# Altium PCB CM_PCB.PcbDoc (part 1 of 7) (continued)
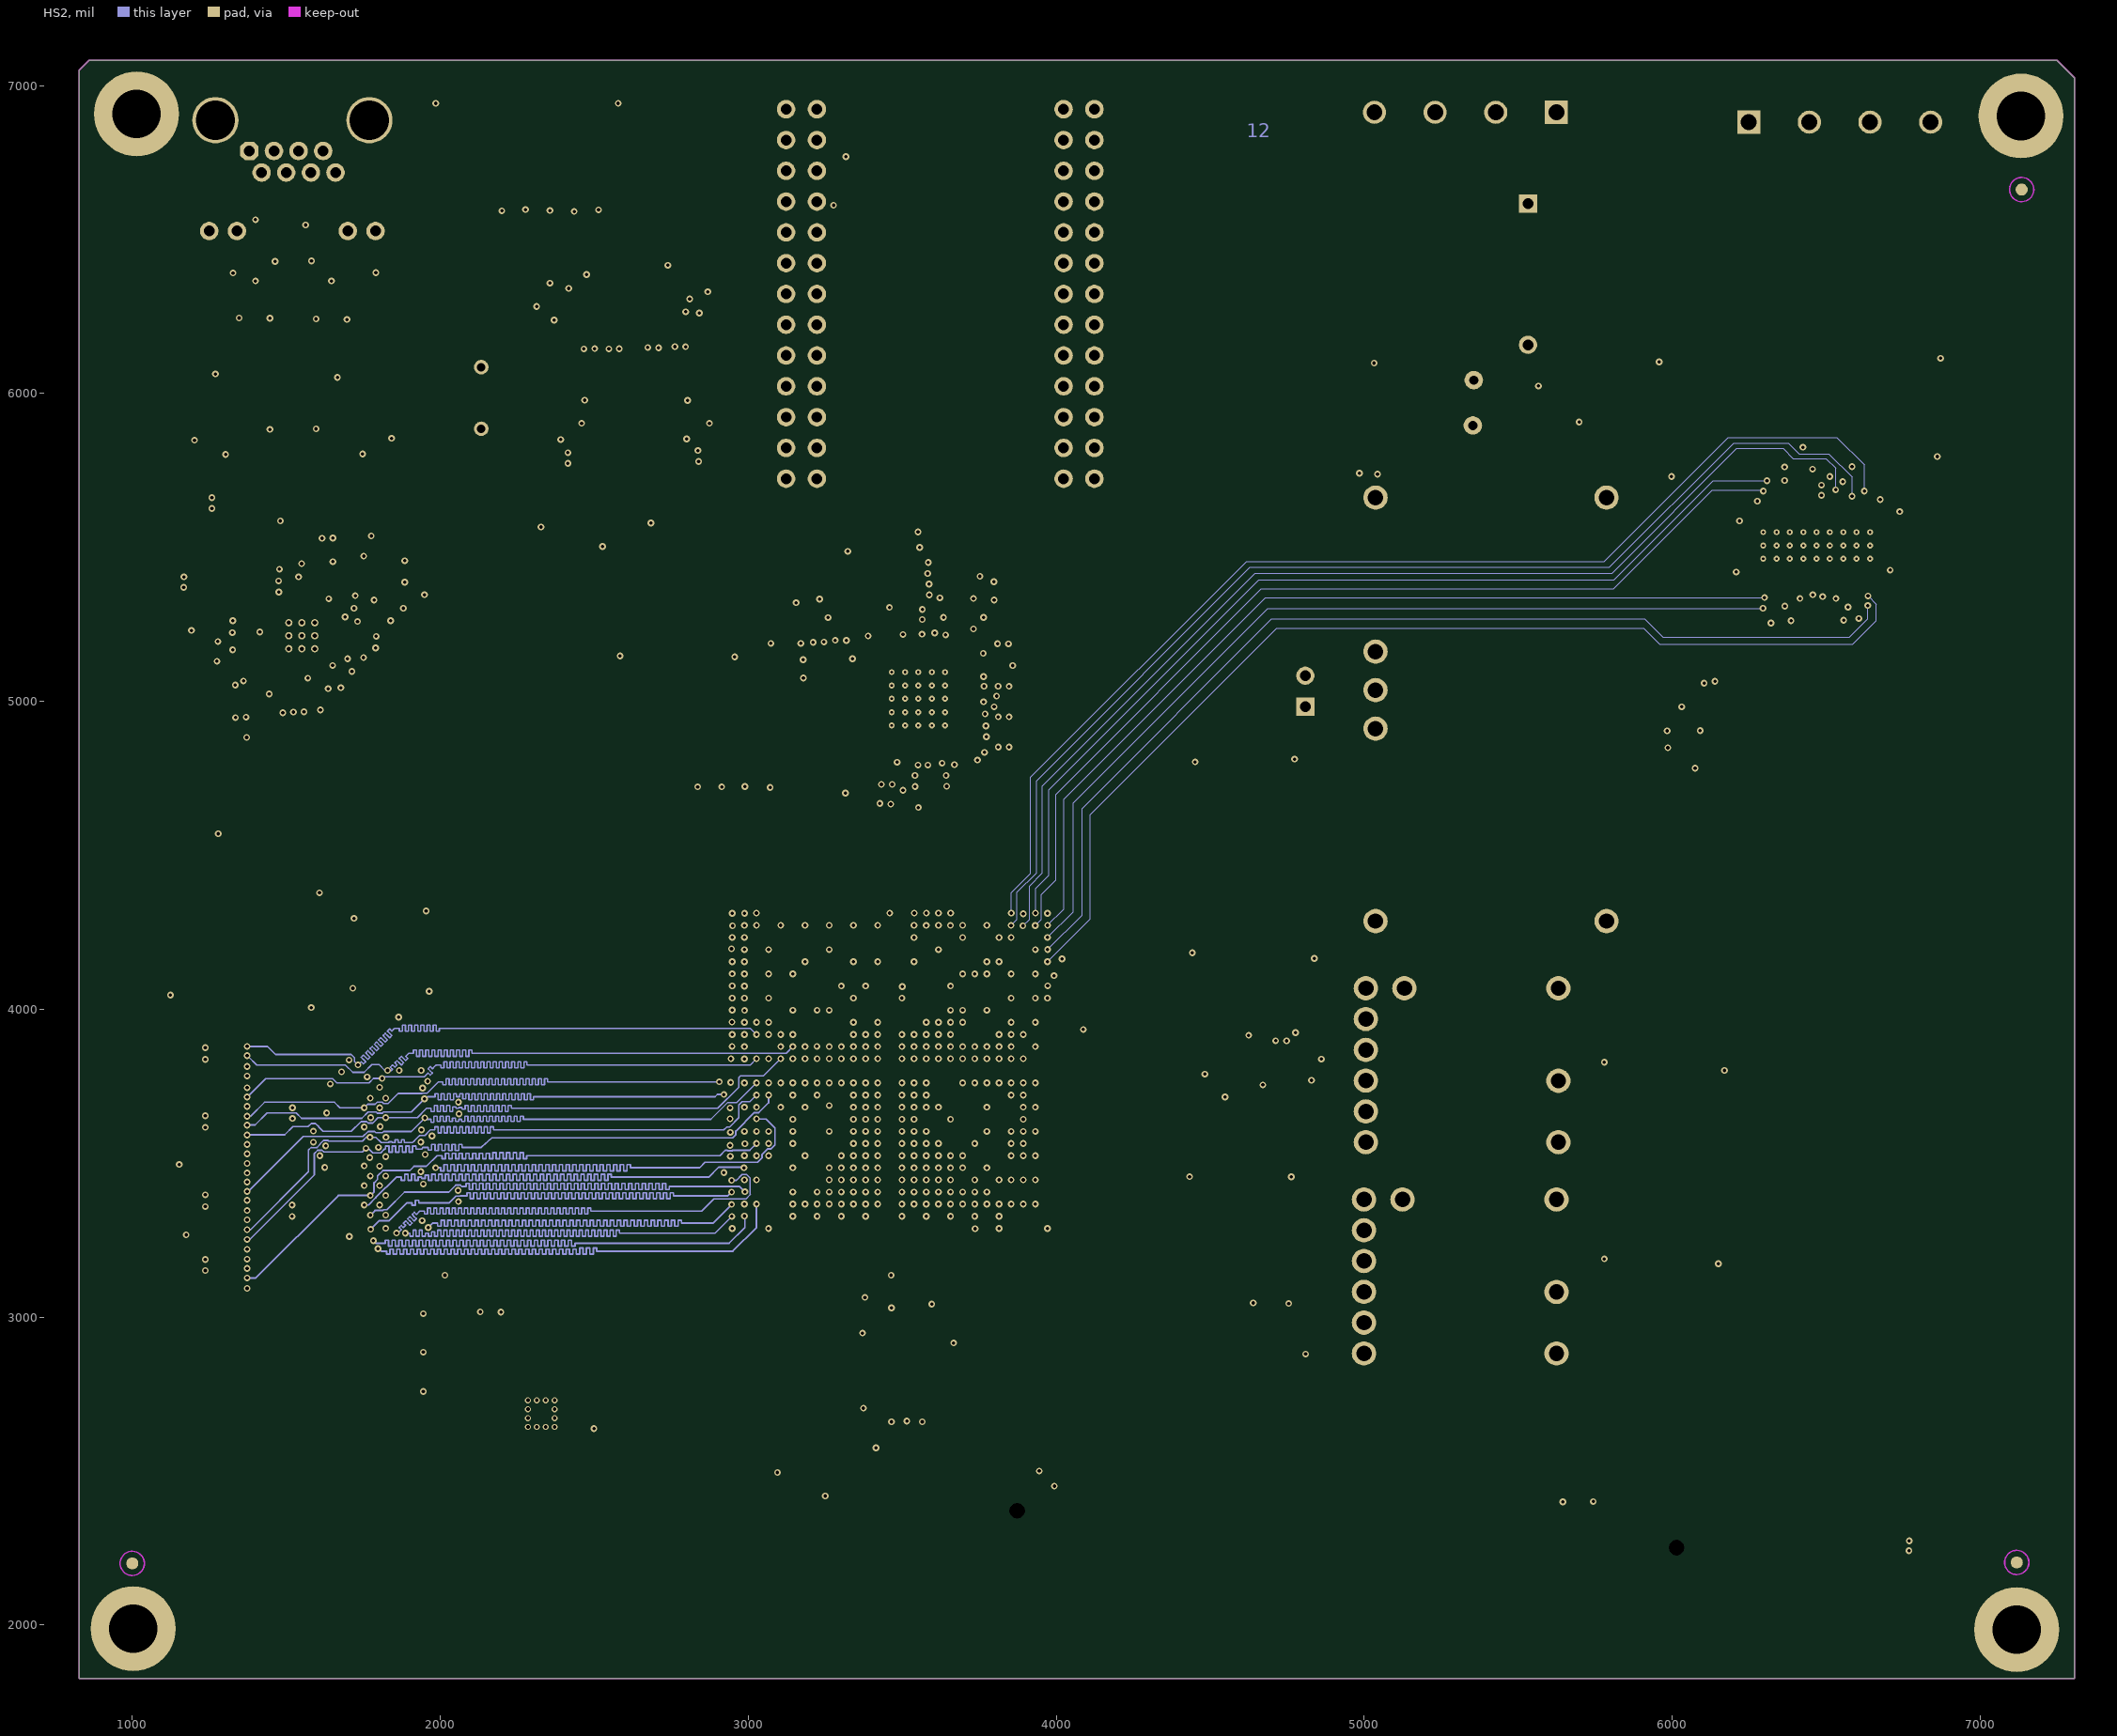
[diagram p12: HS2]
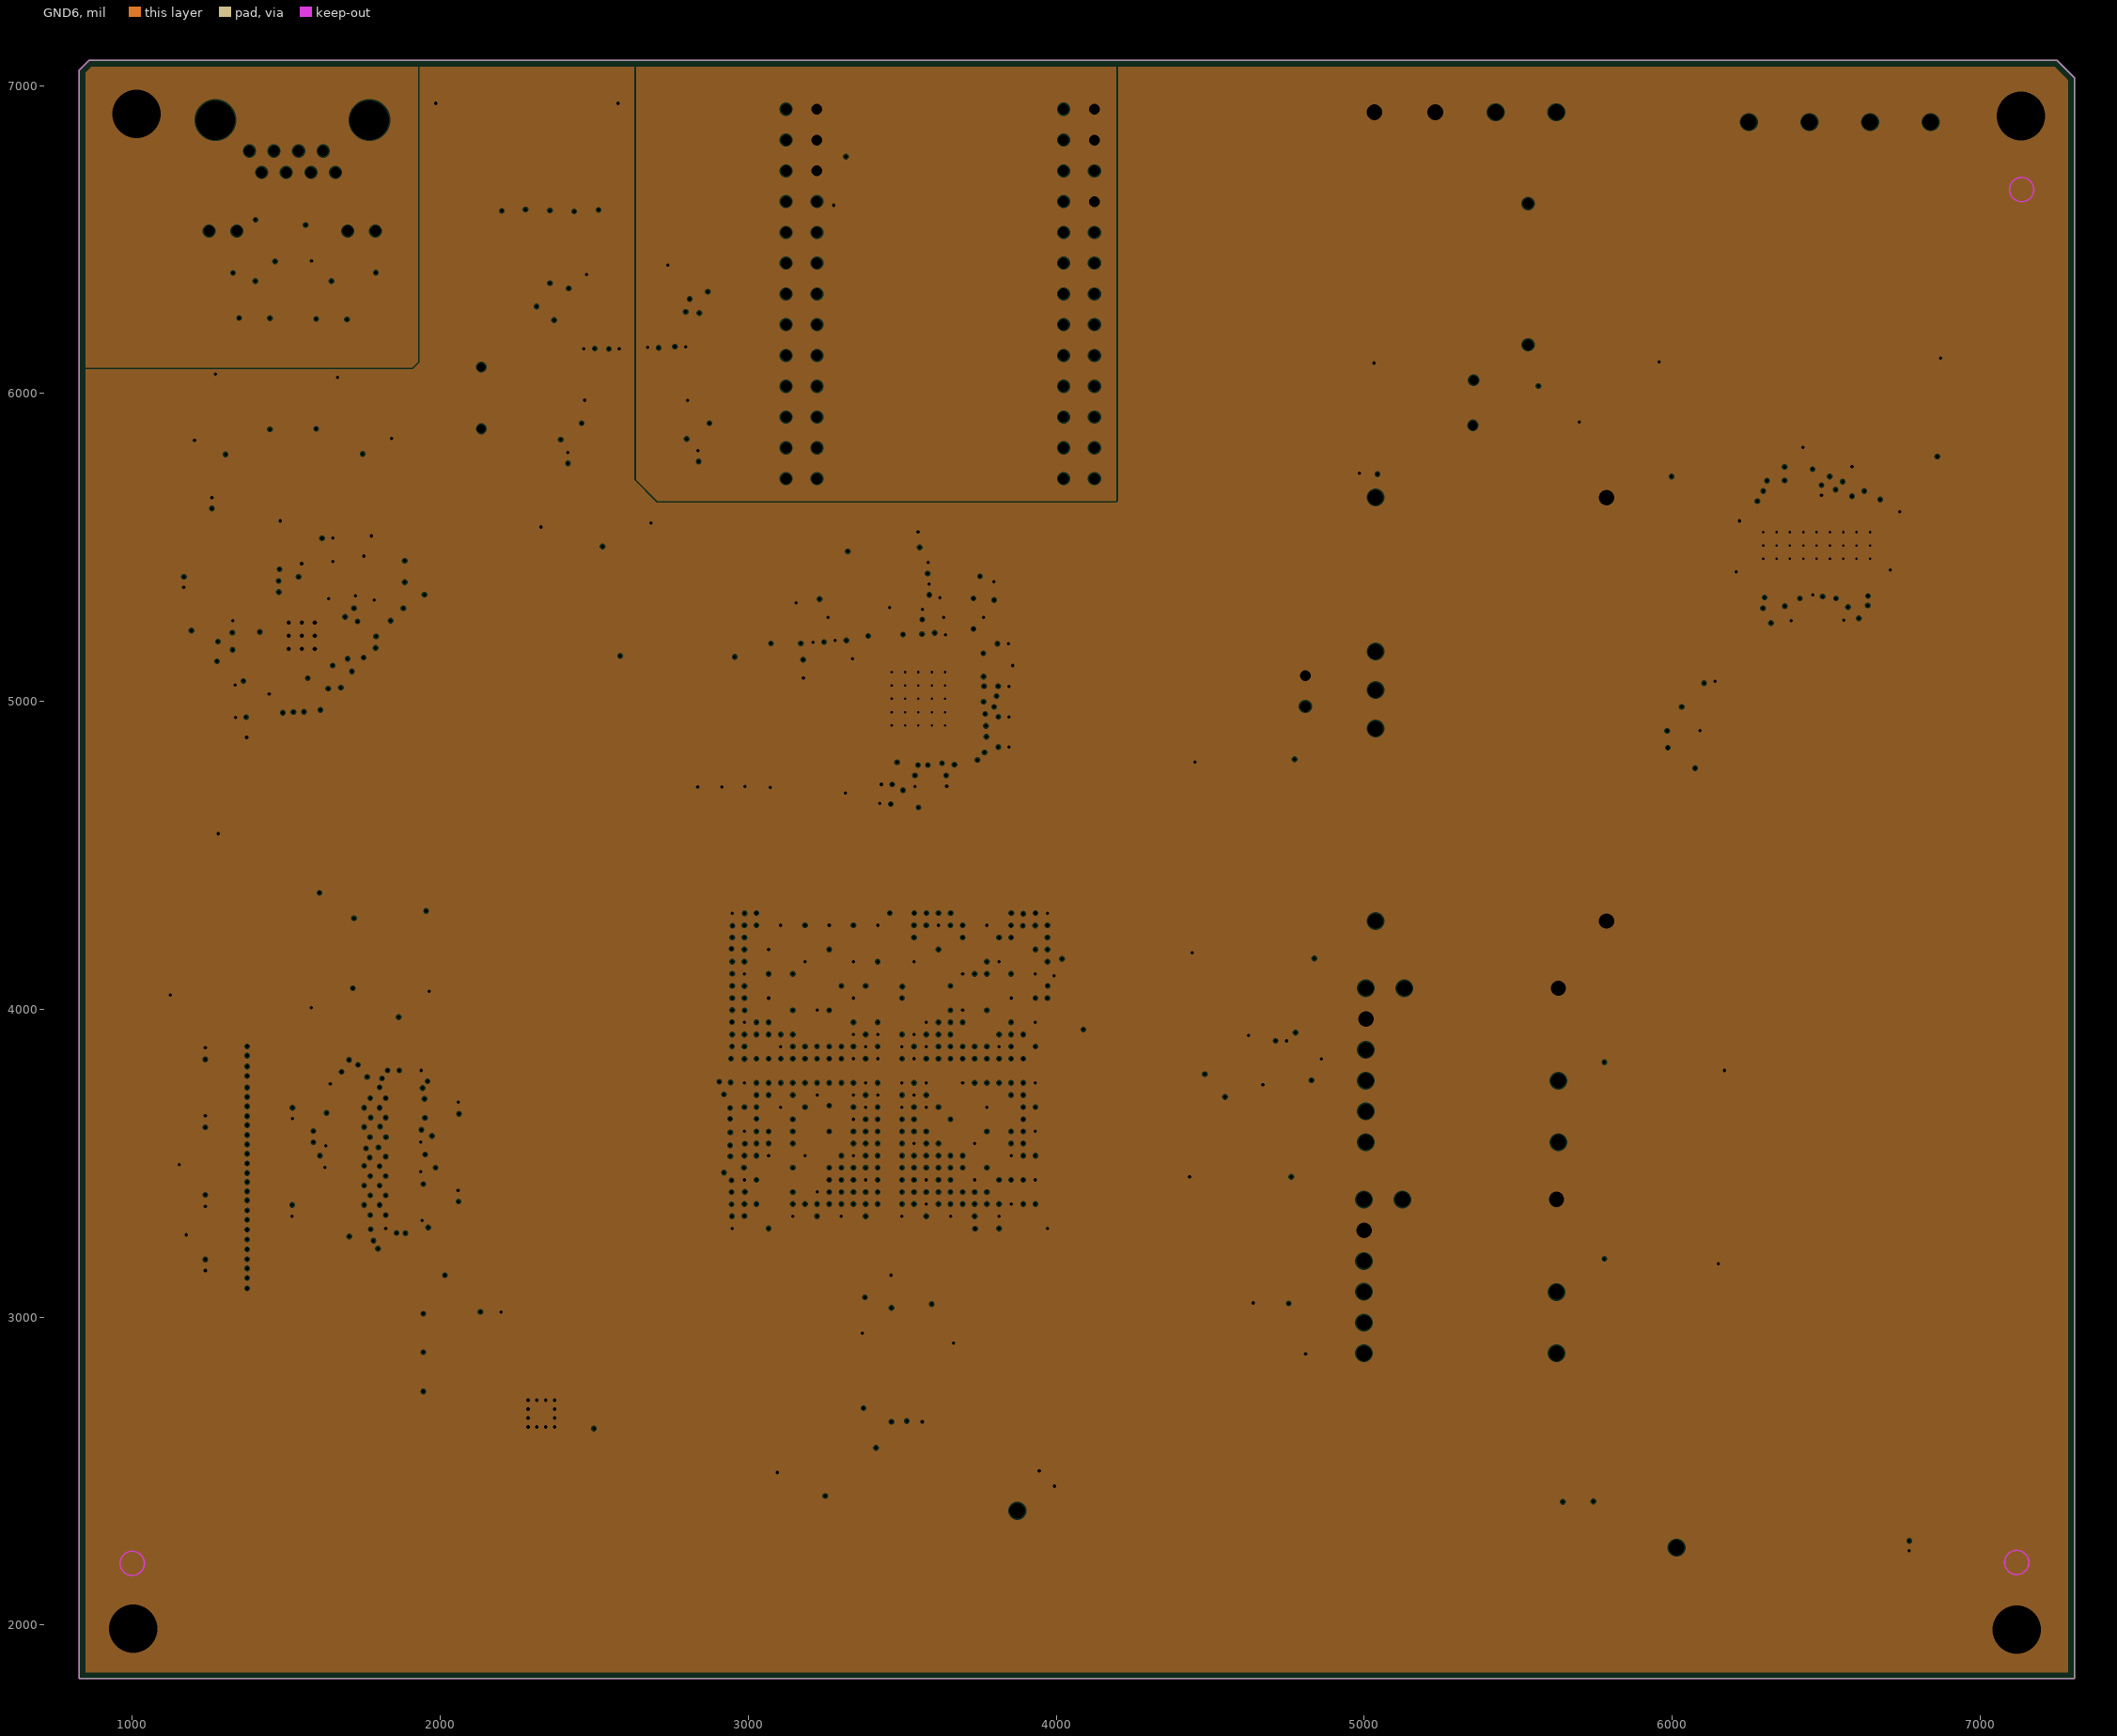
[diagram p13: GND6, clearances drawn from the general rule]

## Layer stack, top to bottom
Top Solder: solder mask 0.4, Solder Resist, Dk 3.5
Top Layer: signal copper 2.8
Dielectric 1: core 2.6, FR4, Dk 4.2
GND1: plane copper 1.4, net (Multiple Nets)
Dielectric 14: prepreg 5, PP, Dk 4.2
HS1: signal copper 0.7
Dielectric 13: core 4, FR4, Dk 4.2
GND2: plane copper 1.4, net (Multiple Nets)
Dielectric 11: prepreg 6, PP, Dk 4.2
DIFF_SE1: signal copper 0.7
Dielectric 15: core 5, FR4, Dk 4.2
GND3: plane copper 1.4, net (Multiple Nets)
Dielectric 12: prepreg 3, PP, Dk 4.2
POWER1: plane copper 1.4, net (Multiple Nets)
Dielectric 10: core 6, FR4, Dk 4.2
POWER2: plane copper 1.4, net (Multiple Nets)
Dielectric 9: prepreg 3, PP, Dk 4.2
GND4: plane copper 1.4, net (Multiple Nets)
Dielectric 3: core 5, FR4, Dk 4.2
DIFF_SE2: signal copper 0.7
Dielectric 6: prepreg 6, PP, Dk 4.2
GND5: plane copper 0.7, net (Multiple Nets)
Dielectric 5: core 4, FR4, Dk 4.2
HS2: signal copper 0.7
Dielectric 8: prepreg 5, PP, Dk 4.2
GND6: plane copper 1.4, net (Multiple Nets)
Dielectric 7: core 2.6, FR4, Dk 4.2
Bottom Layer: signal copper 2.8
Bottom Solder: solder mask 0.4, Solder Resist, Dk 3.5

## Board outline
828,1826 7306,1826 7306,7025 7250,7081 859,7081 828,7050

## Design rules (kind name [scope] priority, off if disabled: settings)
Clearance [All] p1: gap=4
ComponentClearance [All] p1: gap=5 collisioncheckmode=3 verticalgap=10 showdistances=FALSE
DiffPairsRouting [All] p1: maxlimit=10 minlimit=4 mostfreqgap=5 toplayer_minwidth=3 toplayer_maxwidth=20 toplayer_prefwidth=5 midlayer1_minwidth=3 midlayer1_maxwidth=20 midlayer1_prefwidth=3 midlayer2_minwidth=3 midlayer2_maxwidth=20 midlayer2_prefwidth=5 midlayer3_minwidth=3 midlayer3_maxwidth=20 midlayer3_prefwidth=5 midlayer4_minwidth=3 midlayer4_maxwidth=20 midlayer4_prefwidth=3 bottomlayer_minwidth=3 bottomlayer_maxwidth=20 bottomlayer_prefwidth=5 maxuncoupledlength=500
MatchedLengths DDR_2_FPGA [InNetClass('DDR_2_FPGA')] p1: tolerance=10 checknetsindiffpair=FALSE checkdiffpairvsdiffpair=TRUE checkxsignals=TRUE checkothers=TRUE
MatchedLengths FTDI_JTAG_to_ISOL [InNetClass('FTDI_JTAG_to_ISOL')] p2: tolerance=5 checknetsindiffpair=FALSE checkdiffpairvsdiffpair=TRUE checkxsignals=TRUE checkothers=TRUE
MatchedLengths ISOL_JTAG_to_FPGA [InNetClass('ISOL_JTAG_to_FPGA')] p3: tolerance=5 checknetsindiffpair=FALSE checkdiffpairvsdiffpair=TRUE checkxsignals=TRUE checkothers=TRUE
MatchedLengths CDCE_to_FPGA_SE [InNetClass('CDCE_to_FPGA')] p4: tolerance=5 checknetsindiffpair=FALSE checkdiffpairvsdiffpair=TRUE checkxsignals=TRUE checkothers=TRUE
MatchedLengths CDCE_to_FPGA_diff [InNetClass('CDCE_to_FPGA_DIFF')] p5: tolerance=5 checknetsindiffpair=TRUE checkdiffpairvsdiffpair=FALSE checkxsignals=FALSE checkothers=FALSE
MatchedLengths PHY_TRANS_TO_CONN [InNetClass('ETH_DIFF_CHASSIS')] p6: tolerance=5 checknetsindiffpair=TRUE checkdiffpairvsdiffpair=FALSE checkxsignals=FALSE checkothers=FALSE
MatchedLengths PHY_TO_TRANS [InNetClass('ETH_DIFF_GND')] p7: tolerance=5 checknetsindiffpair=TRUE checkdiffpairvsdiffpair=FALSE checkxsignals=FALSE checkothers=FALSE
MatchedLengths Ethernet_to_FPGA [InNetClass('PHY_TO_FPGA')] p8: tolerance=5 checknetsindiffpair=FALSE checkdiffpairvsdiffpair=TRUE checkxsignals=TRUE checkothers=TRUE
MinimumSolderMaskSliver [All] p1: minsoldermaskwidth=4
PlaneClearance [All] p1: clearance=4
PlaneConnect [All] p1: planeconnectstyle=Direct reliefexpansion=20 reliefentries=4 reliefconductorwidth=10 reliefairgap=10
PolygonConnect [All] p1: connectstyle=Direct reliefconductorwidth=10 reliefentries=4 polygonreliefangle="90 Angle" airgapwidth=10
RoutingVias [All] p1: holewidth=11 width=22 viastyle="Through Hole" minholewidth=8 minwidth=20 maxholewidth=50 maxwidth=50
SilkToSolderMaskClearance [IsPad] p1: minsilkscreentomaskgap=4 clearancetoexposedcopper=TRUE
SolderMaskExpansion [All] p1: expansion=4
Width [All] p1: maxlimit=30 minlimit=3 preferedwidth=3 toplayer_prefwidth=4 midlayer1_maxwidth=10 midlayer2_maxwidth=10 midlayer3_maxwidth=10 midlayer4_maxwidth=10 bottomlayer_prefwidth=4 minimp=50.000000 maximp=50.000000 favimp=50.000000
24 further rules are at their usual default settings.

## Classes and differential pairs
net class ISOL_JTAG_to_FPGA: FMC_TDO TCK TDI TMS
net class FTDI_JTAG_to_ISOL: FTDI_JTAG_TCK FTDI_JTAG_TDI FTDI_JTAG_TDO FTDI_JTAG_TMS
net class CDCE_to_FPGA_DIFF: CDCE_CLK_100M_N CDCE_CLK_100M_P VITTA_CLK0_N VITTA_CLK0_P VITTA_CLK1_N VITTA_CLK1_P
net class CDCE_to_FPGA: CDCE_PWRDN CDCE_SPI_CLK CDCE_SPI_LE CDCE_SPI_MISO CDCE_SPI_MOSI CDCE_SYNC
net class ETH_DIFF_GND: PHY_RX_N PHY_RX_P PHY_TX_N PHY_TX_P
net class ETH_DIFF_CHASSIS: PHY_CONN_RX_N PHY_CONN_RX_P PHY_CONN_TX_N PHY_CONN_TX_P
net class PHY_TO_FPGA: PHY_COL PHY_CRS PHY_INTRP PHY_MDC PHY_MDIO PHY_RST PHY_RXC PHY_RXD0 PHY_RXD1 PHY_RXD2 PHY_RXD3 PHY_RXDV PHY_RXER PHY_TXC PHY_TXD0 PHY_TXD1 PHY_TXD2 PHY_TXD3 PHY_TXEN PHY_TXER
net class DDR_DQ[15..0]: DDR_DQ0 DDR_DQ1 DDR_DQ2 DDR_DQ3 DDR_DQ4 DDR_DQ5 DDR_DQ6 DDR_DQ7 DDR_DQ8 DDR_DQ9 DDR_DQ10 DDR_DQ11 DDR_DQ12 DDR_DQ13 DDR_DQ14 DDR_DQ15
net class DDR_BA[2..0]: DDR_BA0 DDR_BA1 DDR_BA2
net class DDR_A[13..0]: DDR_A0 DDR_A1 DDR_A2 DDR_A3 DDR_A4 DDR_A5 DDR_A6 DDR_A7 DDR_A8 DDR_A9 DDR_A10 DDR_A11 DDR_A12 DDR_A13
component class CM_USB: C167 C168 C169 C170 C171 C172 C173 C174 C175 C176 R119 R120 R121 R122 R123 R124 R125 R126 U17 U18 U19
component class CM_Title: FID1 FID2 FID3 MH3 MH4 MH7 MH8
component class CM_MOTOR: C154 C155 C156 C157 C158 C159 C160 C161 C162 C163 C164 C165 C166 J5 R114 R115 R116 R117 R118 U16
component class CM_FPGA_JTAG_POWER_FLASH: * C131 C132 C133 C134 C135 C136 C137 C138 C139 C140 C141 C142 C143 C144 C145 C146 C147 C148 C149 C150 C151 C152 C153 D3 D4 D5 D6 D7 F2 H1 J4 R101 R102 R103 R104 R105 R106 R107 R108 R109 R110 R111 R112 R113 SW2 SW3 U6 U13 U14 W1
component class CM_FPGA_B4-5: C123 C124 C125 C126 C127 C128 C129 C130 R9 R10
component class CM_FPGA_B2-3: C113 C114 C115 C116 C117 C118 C119 C120 C121 C122 R99 R100 SW1
component class CM_FPGA_B0-1: C103 C104 C105 C106 C107 C108 C109 C110 C111 C112 U12
component class CM_FMC-HPC-CDE: R96 R97 R98
component class CM_FMC-HPC-AB: C100 C101 C102 J3 R2 R78 R79 R80 R81 R82 R83 R84 R85 R86 R87 R88 R89 R90 R91 R92 R93 R94 R95 U11
component class CM_ETHERNET: C79 C80 C81 C82 C83 C84 C85 C86 C87 C88 C89 C90 C91 C92 C93 C94 C95 C96 C97 C98 D1 D2 J2 L6 R48 R49 R52 R53 R55 R56 R57 R58 R59 R60 R61 R62 R63 R64 R65 R66 R67 R68 R69 R73 R77 T1 U5 U10
component class CM_DDR3: C14 C15 C16 C17 C18 C60 C61 C62 C63 C66 C67 C68 C69 C72 C74 C75 C76 C77 C78 C177 C178 C179 C180 C181 C182 C183 C184 C185 R13 R21 R22 R23 R24 R25 R26 R27 R28 R29 R30 R31 R32 R33 R44 R47 U8 U9
component class CM_CLK: C19 C20 C21 C22 C23 C24 C25 C26 C28 C29 C30 C31 C32 C33 C34 C35 C36 C37 C38 C39 C40 C41 C42 C43 C44 C45 C46 C47 C48 C49 L1 L2 L3 L4 L5 R14 R15 R16 R17 R18 R19 R20 U7 Y1
component class CM_ALIM: C1 C2 C3 C4 C5 C6 C7 C8 C9 C10 C11 C12 C13 D8 F1 J1 Q1 R1 R3 R4 R5 R6 R7 R8 R11 R12 U1 U2 U3 U4
net class DDR_2_FPGA: \DDR_CAS \DDR_RAS \DDR_RESET \DDR_WE DDR_A0 DDR_A1 DDR_A2 DDR_A3 DDR_A4 DDR_A5 DDR_A6 DDR_A7 DDR_A8 DDR_A9 DDR_A10 DDR_A11 DDR_A12 DDR_A13 DDR_BA0 DDR_BA1 DDR_BA2 DDR_CK_N DDR_CK_P DDR_CKE DDR_DQ0 DDR_DQ1 DDR_DQ2 DDR_DQ3 DDR_DQ4 DDR_DQ5 DDR_DQ6 DDR_DQ7 DDR_DQ8 DDR_DQ9 DDR_DQ10 DDR_DQ11 DDR_DQ12 DDR_DQ13 DDR_DQ14 DDR_DQ15 DDR_LDM DDR_LDQS_N DDR_LDQS_P DDR_ODT DDR_UDM DDR_UDQS_N DDR_UDQS_P
differential pair VITTA_CLK1: +VITTA_CLK1_P -VITTA_CLK1_N
differential pair VITTA_CLK0: +VITTA_CLK0_P -VITTA_CLK0_N
differential pair PHY_TX: +PHY_TX_P -PHY_TX_N
differential pair PHY_RX: +PHY_RX_P -PHY_RX_N
differential pair PHY_CONN_TX: +PHY_CONN_TX_P -PHY_CONN_TX_N
differential pair PHY_CONN_RX: +PHY_CONN_RX_P -PHY_CONN_RX_N
differential pair OSC_CDCE: +OSC_CDCE_P -OSC_CDCE_N
differential pair LA33: +LA33_P -LA33_N
differential pair LA31: +LA31_P -LA31_N
differential pair LA30: +LA30_P -LA30_N
differential pair LA29: +LA29_P -LA29_N
differential pair LA28: +LA28_P -LA28_N
differential pair LA27: +LA27_P -LA27_N
differential pair LA26: +LA26_P -LA26_N
differential pair LA24: +LA24_P -LA24_N
differential pair LA23: +LA23_P -LA23_N
differential pair LA22: +LA22_P -LA22_N
differential pair LA21: +LA21_P -LA21_N
differential pair LA20: +LA20_P -LA20_N
differential pair LA19: +LA19_P -LA19_N
differential pair LA18_CC: +LA18_CC_P -LA18_CC_N
differential pair LA17_CC: +LA17_CC_P -LA17_CC_N
differential pair LA16: +LA16_P -LA16_N
differential pair LA14: +LA14_P -LA14_N
differential pair LA13: +LA13_P -LA13_N
differential pair LA11: +LA11_P -LA11_N
differential pair LA10: +LA10_P -LA10_N
differential pair LA09: +LA09_P -LA09_N
differential pair LA08: +LA08_P -LA08_N
differential pair LA07: +LA07_P -LA07_N
differential pair LA06: +LA06_P -LA06_N
differential pair LA05: +LA05_P -LA05_N
differential pair LA04: +LA04_P -LA04_N
differential pair LA02: +LA02_P -LA02_N
differential pair LA01_CC: +LA01_CC_P -LA01_CC_N
differential pair LA00_CC: +LA00_CC_P -LA00_CC_N
differential pair HB21: +HB21_P -HB21_N
differential pair HB20: +HB20_P -HB20_N
differential pair HB19: +HB19_P -HB19_N
differential pair HB18: +HB18_P -HB18_N
differential pair HB17_CC: +HB17_CC_P -HB17_CC_N
differential pair HB16: +HB16_P -HB16_N
differential pair HB15: +HB15_P -HB15_N
differential pair HB14: +HB14_P -HB14_N
differential pair HB13: +HB13_P -HB13_N
differential pair HB12: +HB12_P -HB12_N
differential pair HB11: +HB11_P -HB11_N
differential pair HB10: +HB10_P -HB10_N
differential pair HB09: +HB09_P -HB09_N
differential pair HB08: +HB08_P -HB08_N
differential pair HB07: +HB07_P -HB07_N
differential pair HB06_CC: +HB06_CC_P -HB06_CC_N
differential pair HB05: +HB05_P -HB05_N
differential pair HB04: +HB04_P -HB04_N
differential pair HB03: +HB03_P -HB03_N
differential pair HB02: +HB02_P -HB02_N
differential pair HB01: +HB01_P -HB01_N
differential pair HB00_CC: +HB00_CC_P -HB00_CC_N
differential pair HA10: +HA10_P -HA10_N
differential pair HA09: +HA09_P -HA09_N
differential pair HA08: +HA08_P -HA08_N
differential pair HA06: +HA06_P -HA06_N
differential pair HA05: +HA05_P -HA05_N
differential pair HA04: +HA04_P -HA04_N
differential pair HA03: +HA03_P -HA03_N
differential pair HA02: +HA02_P -HA02_N
differential pair CDCE_CLK_100M: +CDCE_CLK_100M_P -CDCE_CLK_100M_N

## Components (designator, comment, footprint, x,y, rotation, side; value= is the part's Value field where it differs from the comment)
C1 "CAP - TANTALUM - CASE D" CAP_TAN_2917(D) 2711,2540 r90 top
C2 "CAP - 0805" CAP_0805 2569,2605 r90 top
C3 "CAP - 0402" CAP_0402 2499,2574 r90 top
C4 "CAP - 0603" CAP_0603 5014,5788 r0 top
C5 "MAL214699501E3" CAP_ALU_1010_vishay 4440,4730 r0 top
C6 "MAL214699501E3" CAP_ALU_1010_vishay 6212,3895 r180 top
C7 "MAL214699501E3" CAP_ALU_1010_vishay 6206,3257 r180 top
C8 "CAP - 1206" CAP_1206 4681,3979 r0 top
C9 "MAL215099101E3" CAP_ALU_1010_vishay 4442,4278 r0 top
C10 "CAP - 1206" CAP_1206 4697,3106 r0 top
C11 "MAL215099101E3" CAP_ALU_1010_vishay 4433,3380 r0 top
C12 "CAP - 0805" CAP_0805 2163,2957 r180 top
C13 "CAP - TANTALUM - CASE D" CAP_TAN_2917(D) 2289,3108 r180 top
C14 "CAP - TANTALUM - CASE D" CAP_TAN_2917(D) 1248,4116 r0 top
C15 "CAP - 0805" CAP_0805 1152.5,3535 r0 top
C16 "CAP - 0603" CAP_0603 1108,3744 r90 top
C17 "CAP - 0603" CAP_0603 1117,3274 r270 top
C18 "CAP - 0402" CAP_0402 1121,3379 r90 top
C19 "CAP - 0603" CAP_0603 3833.5,5359 r270 top
C20 "CAP - 0402" CAP_0402 3571.5,4741 r90 top
C21 "CAP - 0402" CAP_0402 3609.5,4741 r90 top
C22 "CAP - 0402" CAP_0402 3829.5,4882 r180 top
C23 "CAP - 0402" CAP_0402 3829.5,4920 r180 top
C24 "CAP - 0402" CAP_0402 3827.5,5156 r180 top
C25 "CAP - 0402" CAP_0402 3829.5,5078 r180 top
C26 "CAP - 0402" CAP_0402 3794.5,5255 r270 top
C28 "CAP - 0402" CAP_0402 3652.5,5243 r0 top
C29 "CAP - 0402" CAP_0402 3651.5,5303 r0 top
C30 "CAP - 0402" CAP_0402 3640.5,5365 r0 top
C31 "CAP - 0603" CAP_0603 3137.5,5105 r90 top
C32 "CAP - 0402" CAP_0402 3301.5,5223 r0 top
C33 "CAP - 0402" CAP_0402 3228.5,5162 r0 top
C34 "CAP - 0402" CAP_0402 3229.5,5223 r0 top
C35 "CAP - 0603" CAP_0603 3635.5,4668 r180 top
C36 "CAP - 0402" CAP_0402 3450.5,4757 r0 top
C37 "CAP - 0402" CAP_0402 3445.5,4697 r0 top
C38 "CAP - 0402" CAP_0402 3445.5,4632 r0 top
C39 "CAP - 0603" CAP_0603 3501.5,5512 r270 top
C40 "CAP - 0402" CAP_0402 3537.5,5283 r270 top
C41 "CAP - 0402" CAP_0402 3556.5,5363 r270 top
C42 "CAP - 0402" CAP_0402 3611.5,5433 r270 top
C43 "CAP - 0402" CAP_0402 3231.5,5290 r90 top
C44 "CAP - 0603" CAP_0603 3184.5,5362 r0 top
C45 "CAP - 0402" CAP_0402 3303.5,5156 r90 top
C46 "CAP - 0402" CAP_0402 3319.5,4729 r0 top
C47 "CAP - 0402" CAP_0402 3595.5,5276 r270 top
C48 "NM" CAP_0402 3482.5,5404 r90 top
C49 "NM" CAP_0402 3501.5,5348 r0 top
C60 "CAP - 0402" CAP_0402 1990,3678 r270 top
C61 "CAP - 0402" CAP_0402 1990,3393 r270 top
C62 "CAP - 0402" CAP_0402 1588,3663 r90 top
C63 "CAP - 0402" CAP_0402 1552,3345 r90 top
C66 "CAP - 0402" CAP_0402 2027,3678 r270 top
C67 "CAP - 0402" CAP_0402 2028,3393 r270 top
C68 "CAP - 0402" CAP_0402 1589,3346 r90 top
C69 "CAP - 0402" CAP_0402 1551,3663 r90 top
C72 "CAP - 0603" CAP_0603 2108,3390 r270 top
C74 "CAP - 0805" CAP_0805 1474,3661 r90 top
C75 "CAP - 0201" CAP_0201 1216,3267 r0 top
C76 "MAL215099101E3" CAP_ALU_1010_vishay 2037,4058 r90 top
C77 "MAL215099101E3" CAP_ALU_1010_vishay 1283,4674 r270 top
C78 "CAP - 0201" CAP_0201 3183,3581 r90 bottom
C79 "CAP - 0603" CAP_0603 1817,5507 r270 top
C80 "CAP - 0402" CAP_0402 1720,5446 r270 top
C81 "CAP - 0402" CAP_0402 1683,5445 r270 top
C82 "CAP - 0402" CAP_0402 1619,5436 r270 top
C83 "CAP - 0402" CAP_0402 1583,5421 r270 top
C84 "CAP - 0603" CAP_0603 1425,4912 r90 top
C85 "CAP - 0402" CAP_0402 1352,4986 r0 top
C86 "CAP - 0402" CAP_0402 1352,5024 r0 top
C87 "CAP - 0402" CAP_0402 1427,4999 r180 top
C88 "CAP - 0402" CAP_0402 1427,5052 r180 top
C89 "CAP - 0402" CAP_0402 1812,5345 r90 top
C90 "CAP - 0402" CAP_0402 1757,5347 r90 top
C91 "CAP - 0402" CAP_0402 1692,5371 r90 top
C92 "CAP - 0402" CAP_0402 1636,5357 r180 top
C93 "CAP - 0402" CAP_0402 1218,5886 r0 top
C94 "CAP - 0402" CAP_0402 1822,5885 r180 top
C95 "CAP - 1206" CAP_1206 1522.94,6359.8 r180 top
C96 "CAP - 0402" CAP_0402 1291,5644 r270 top
C97 "CAP - 0402" CAP_0402 1634,5563 r180 top
C98 "CAP - 0402" CAP_0402 1202,5387 r90 top
C100 "CAP - 0201" CAP_0201 6700,2264 r90 top
C101 "CAP - 0201" CAP_0201 6735,2264 r90 top
C102 "CAP - 0201" CAP_0201 6804,2258 r90 top
C103 "CAP - 0201" CAP_0201 3027,4037 r180 bottom
C104 "CAP - 0201" CAP_0201 3026,4192 r180 bottom
C105 "CAP - 0201" CAP_0201 3142,4273 r0 bottom
C106 "CAP - 0402" CAP_0402 3185,4218 r90 bottom
C107 "CAP - 1210" CAP_1210 3147,4376 r180 bottom
C108 "CAP - 0201" CAP_0201 3855,3405 r90 bottom
C109 "CAP - 0201" CAP_0201 3936,3722 r270 bottom
C110 "CAP - 0201" CAP_0201 3776,3642 r270 bottom
C111 "CAP - 0402" CAP_0402 3815,3543 r90 bottom
C112 "CAP - 1210" CAP_1210 4027,3479 r90 bottom
C113 "CAP - 0201" CAP_0201 3617,3302 r180 bottom
C114 "CAP - 0201" CAP_0201 3447,3330 r180 bottom
C115 "CAP - 0201" CAP_0201 3464,3384 r90 bottom
C116 "CAP - 0402" CAP_0402 3776,3309 r270 bottom
C117 "CAP - 1210" CAP_1210 3590,3188 r180 bottom
C118 "CAP - 0201" CAP_0201 2984,3731 r0 bottom
C119 "CAP - 0201" CAP_0201 3110,3362 r90 bottom
C120 "CAP - 0201" CAP_0201 3145,3680 r0 bottom
C121 "CAP - 0402" CAP_0402 3106,3542 r90 bottom
C122 "CAP - 1210" CAP_1210 2950,3199 r0 bottom
C123 "CAP - 0201" CAP_0201 3896,4010 r0 bottom
C124 "CAP - 0201" CAP_0201 3933,3918 r270 bottom
C125 "CAP - 0402" CAP_0402 3774,4209 r90 bottom
C126 "CAP - 1210" CAP_1210 4069,4147 r90 bottom
C127 "CAP - 0201" CAP_0201 3067,4076 r90 bottom
C128 "CAP - 0201" CAP_0201 3242,4032 r0 bottom
C129 "CAP - 0402" CAP_0402 3043,4147 r0 bottom
C130 "CAP - 1210" CAP_1210 2847,4258 r270 bottom
C131 "CAP - 0201" CAP_0201 3400,3801 r90 bottom
C132 "CAP - 0201" CAP_0201 3342,3800 r270 bottom
C133 "CAP - 0201" CAP_0201 3520,3798 r90 bottom
C134 "CAP - 0201" CAP_0201 3562,3798 r270 bottom
C135 "CAP - 0402" CAP_0402 3460,3897 r90 bottom
C136 "CAP - 0402" CAP_0402 3461,3699 r270 bottom
C137 "CAP - 1210" CAP_1210 3504,4044 r180 bottom
C138 "CAP - 0201" CAP_0201 3109,3636 r270 bottom
C139 "CAP - 0201" CAP_0201 3700,3561 r270 bottom
C140 "CAP - 0201" CAP_0201 3184,3995 r180 bottom
C141 "CAP - 0201" CAP_0201 3895,4114 r180 bottom
C142 "CAP - 0201" CAP_0201 3738,3485 r90 bottom
C143 "CAP - 0201" CAP_0201 3300,4171 r90 bottom
C144 "CAP - 0402" CAP_0402 3107,4154 r270 bottom
C145 "CAP - 0402" CAP_0402 3814,4070 r90 bottom
C146 "CAP - 0402" CAP_0402 3227,3565 r90 bottom
C147 "CAP - 1210" CAP_1210 3266,3234 r180 bottom
C148 "CAP - 1210" CAP_1210 3893,4411 r180 bottom
C149 "CAP - 0402" CAP_0402 4731,3827 r180 top
C150 "CAP - 0402" CAP_0402 4730,3868 r180 top
C151 "CAP - 0402" CAP_0402 6120,4991 r180 top
C152 "CAP - 0402" CAP_0402 6121,5029 r180 top
C153 "CAP - 0402" CAP_0402 3631,2934 r90 top
C154 "CAP - 0402" CAP_0402 6236,5614 r0 top
C155 "MAL215099101E3" CAP_ALU_1010_vishay 6047,6190 r270 top
C156 "CAP - 0402" CAP_0402 6693,5616 r180 top
C157 "MAL215099101E3" CAP_ALU_1010_vishay 6777,6208 r270 top
C158 "CAP - 0402" CAP_0402 6557,5398 r270 bottom
C159 "CAP - 0402" CAP_0402 6509,5396 r270 bottom
C160 "CAP - 0402" CAP_0402 6493,5776 r270 top
C161 "CAP - 0402" CAP_0402 6456,5806 r270 top
C162 "CAP - 0402" CAP_0402 6456,5704 r90 top
C163 "CAP - 0402" CAP_0402 6408,5704 r90 top
C164 "CAP - 0402" CAP_0402 6407,5397 r270 bottom
C165 "CAP - 0402" CAP_0402 6447,5280 r270 top
C166 "CAP - 0402" CAP_0402 6530,5280 r270 top
C167 "CAP - 0402" CAP_0402 2799,5797 r270 top
C168 "CAP - 0402" CAP_0402 2692,6117 r0 top
C169 "CAP - 0402" CAP_0402 2691,6178 r0 top
C170 "CAP - 0402" CAP_0402 2779,6117 r180 top
C171 "CAP - 0402" CAP_0402 2779,6178 r180 top